# Altium PCB NURIP.PcbDoc (part 1 of 14) (continued)
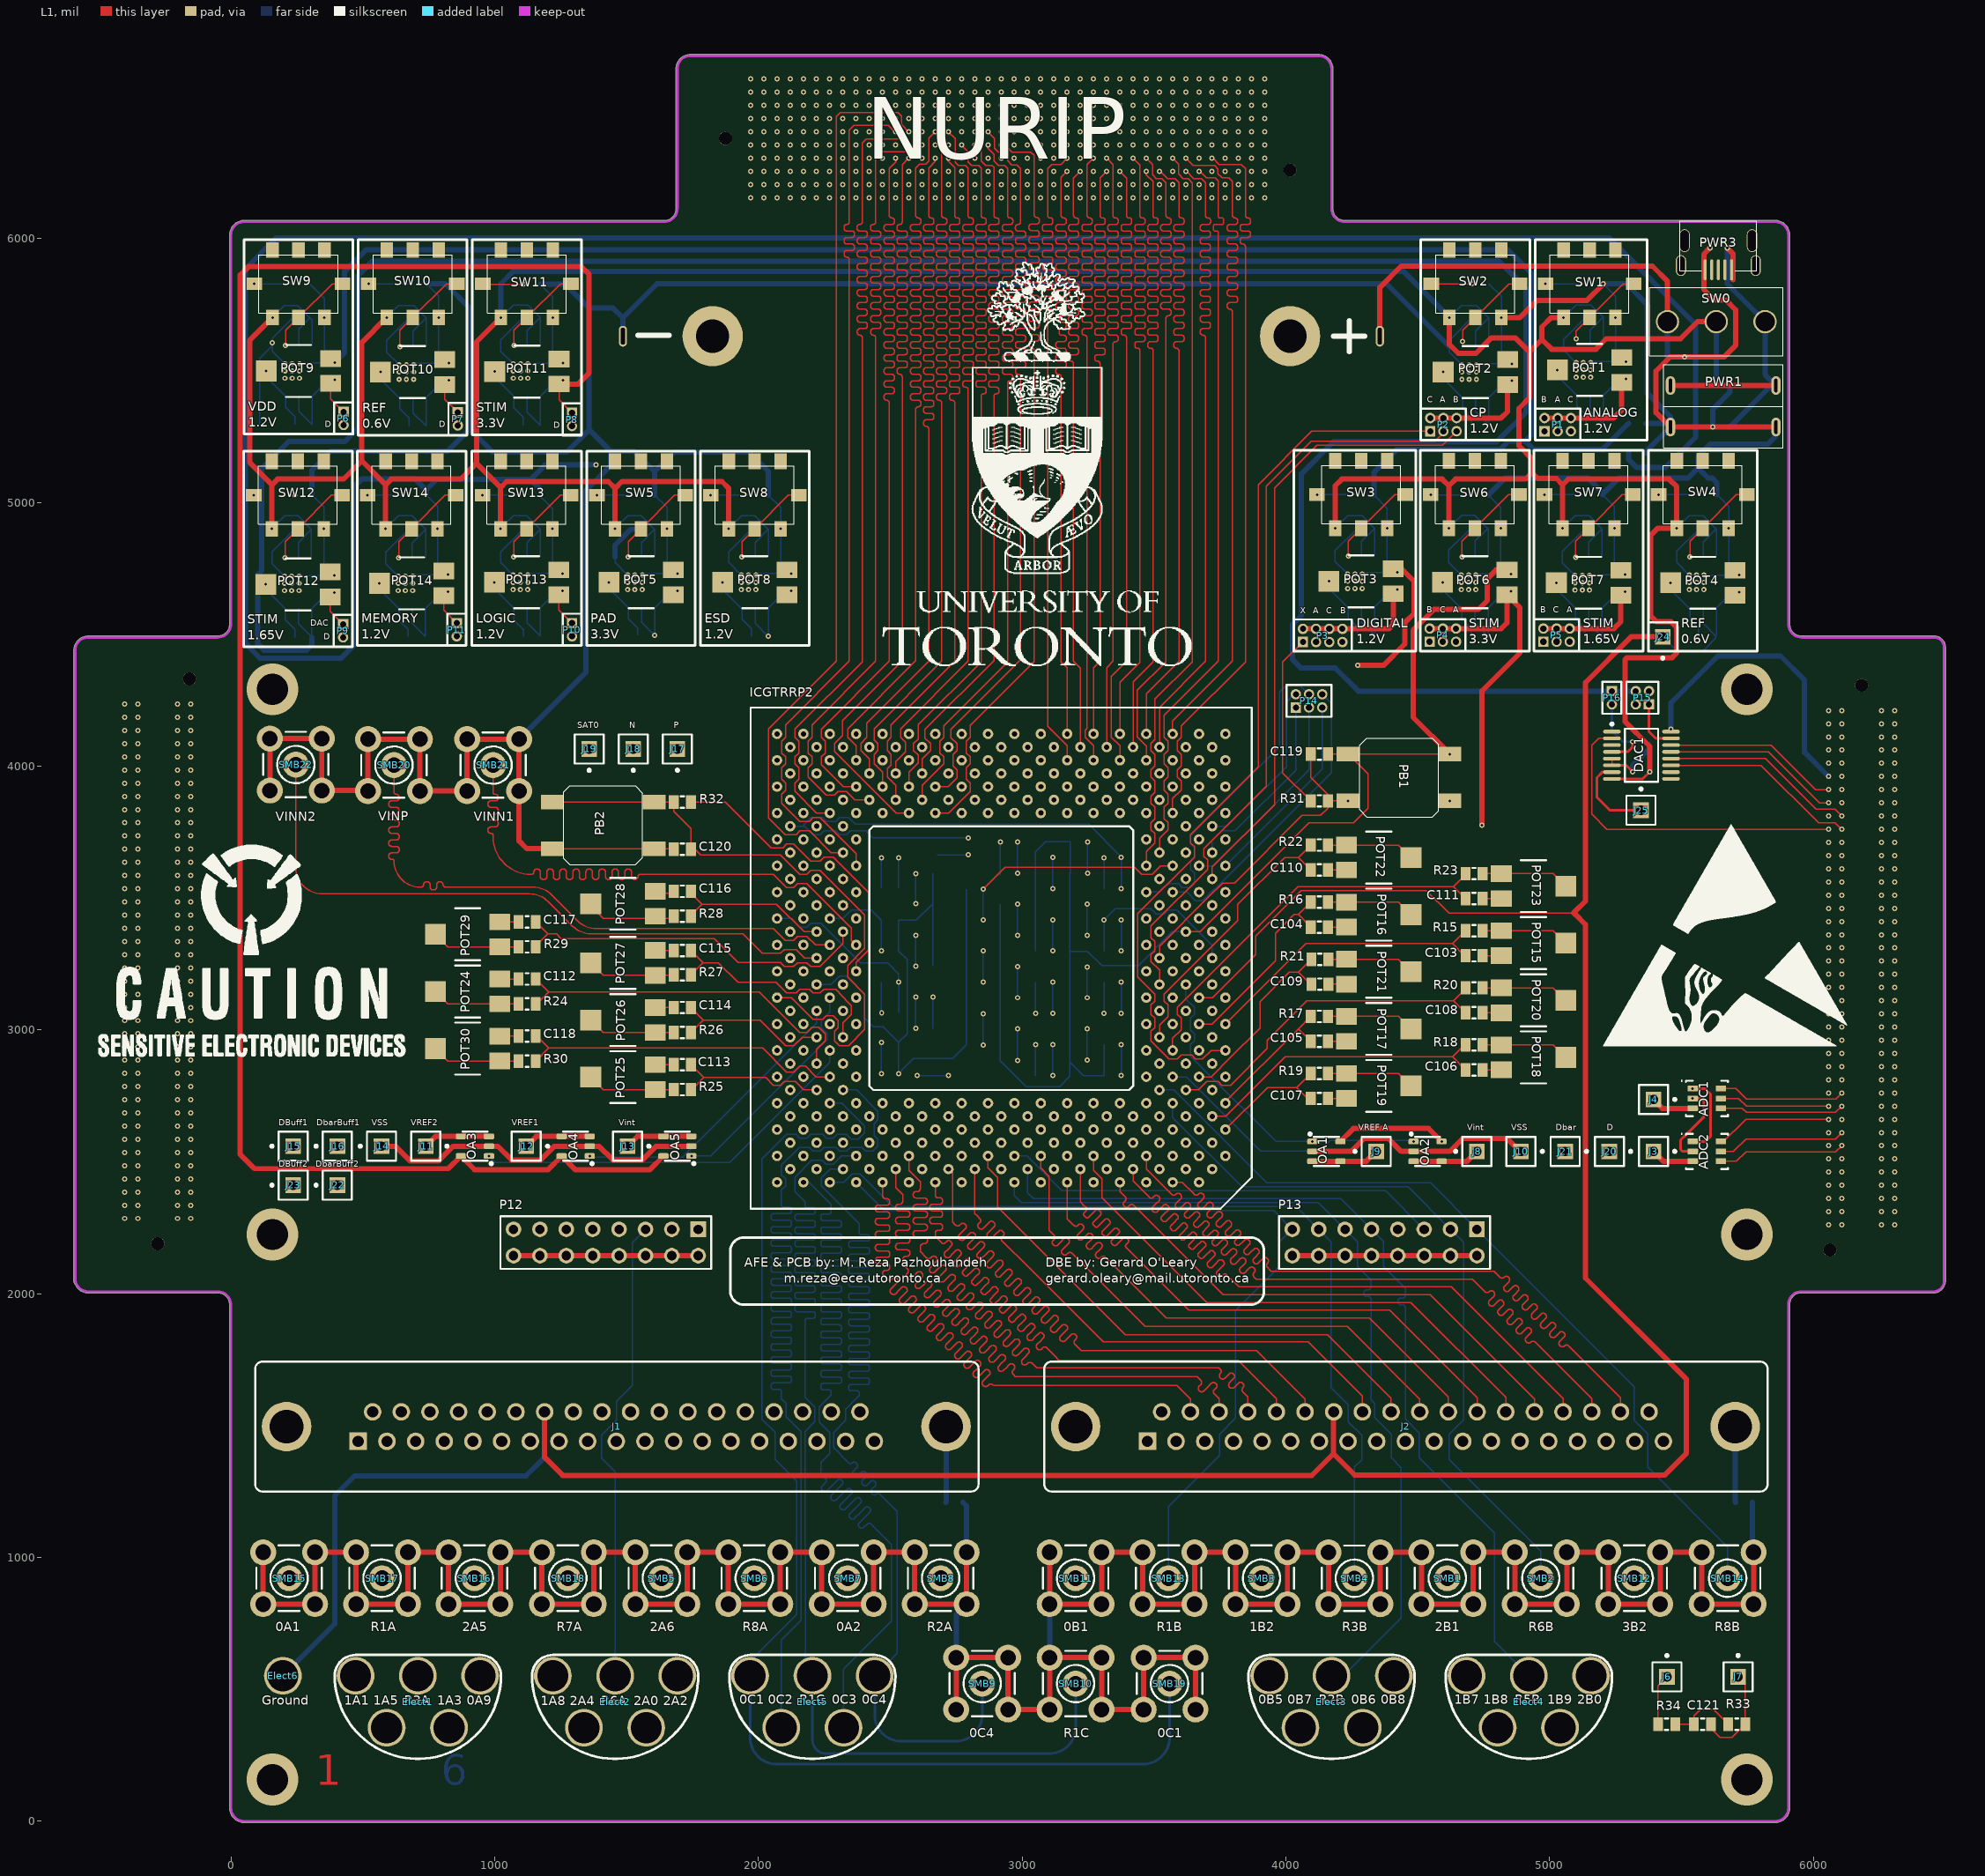
[diagram p0: L1 view]
## Components (designator, comment, footprint, x,y, rotation, side; value= is the part's Value field where it differs from the comment) (continued)
C77 "10u" CAP 1173.23,5700.79 r180 bottom
C78 "10u" CAP 1259.84,5462.6 r90 bottom
C79 "8.2n" CAP 1173.23,5291.34 r180 bottom
C80 "100n" CAP 2596.46,3478.35 r0 bottom
C81 "1u (Tant)" "CAP TANT" 2596.46,3592.52 r0 bottom
C82 "10u" CAP 305.12,4897.64 r180 bottom
C83 "10u" CAP 391.73,4657.48 r90 bottom
C84 "8.2n" CAP 307.09,4488.19 r180 bottom
C85 "100n" CAP 2596.46,3242.13 r0 bottom
C86 "1u (Tant)" "CAP TANT" 2596.46,3358.27 r0 bottom
C87 "10u" CAP 1172.24,4897.64 r180 bottom
C88 "10u" CAP 1257.87,4665.35 r90 bottom
C89 "8.2n" CAP 1174.21,4492.13 r180 bottom
C90 "100n" CAP 2466.54,3181.1 r0 bottom
C91 "1u (Tant)" "CAP TANT" 2467.52,3064.96 r0 bottom
C92 "100n" CAP 3375.98,3299.21 r180 bottom
C93 "1u (Tant)" "CAP TANT" 3375.98,3417.32 r180 bottom
C94 "10u" CAP 738.19,4897.64 r180 bottom
C95 "10u" CAP 822.83,4661.42 r90 bottom
C96 "8.2n" CAP 736.22,4492.13 r180 bottom
C97 "100n" CAP 3375.98,3535.43 r180 bottom
C98 "1u (Tant)" "CAP TANT" 3375.83,3652.83 r180 bottom
C99 "100n" CAP 2795.28,3728.35 r270 bottom
C100 "1u (Tant)" "CAP TANT" 2677.17,3728.35 r270 bottom
C101 "100n" CAP 2466.54,3651.57 r0 bottom
C102 "1u (Tant)" "CAP TANT" 2466.54,3537.4 r0 bottom
C103 "10u" CAP 4681.1,3281.5 r0 top
C104 "10u" CAP 4094.49,3389.76 r0 top
C105 "10u" CAP 4094.49,2956.69 r0 top
C106 "10u" CAP 4681.1,2848.43 r0 top
C107 "10u" CAP 4094.49,2740.16 r0 top
C108 "10u" CAP 4681.1,3064.96 r0 top
C109 "10u" CAP 4096.46,3173.23 r0 top
C110 "10u" CAP 4094.49,3606.3 r0 top
C111 "10u" CAP 4681.1,3498.03 r0 top
C112 "10u" CAP 1155.51,3192.91 r180 top
C113 "10u" CAP 1744.09,2868.11 r180 top
C114 "10u" CAP 1744.09,3084.65 r180 top
C115 "10u" CAP 1744.09,3301.18 r180 top
C116 "10u" CAP 1744.09,3525.59 r180 top
C117 "10u" CAP 1155.51,3409.45 r180 top
C118 "10u" CAP 1155.51,2976.38 r180 top
C119 "10u" CAP 4094.49,4045.28 r0 top
C120 "10u" CAP 1744.09,3685.04 r180 top
C121 "10u" CAP 5612.2,368.11 r180 top
C122 "100n" CAP 5314.96,4092.52 r0 bottom
C123 "100n" CAP 5379.92,3978.35 r180 bottom
DAC1 "AD5761" AD5761 5348.43,4041.34 r0 top
Elect1 "Electrode" ELECTRODE 708.66,551.18 r180 top
Elect2 "Electrode" ELECTRODE 1456.69,551.18 r180 top
Elect3 "Electrode" ELECTRODE 4173.23,551.18 r180 top
Elect4 "Electrode" ELECTRODE 4921.26,551.18 r180 top
Elect5 "Electrode" ELECTRODE 2204.72,551.18 r180 top
Elect6 "Electrode_1" ELECTRODE_2 196.85,551.18 r90 top
FB1 "0" RES 5364.17,5187.01 r180 bottom
FB2 "0" RES 5364.17,5299.21 r180 bottom
FMC1 "FMC_HPC" FMC_HPC 4015.75,6259.84 r180 bottom
FMC2 "FMC_LPC" FMC_LPC 6062.99,2165.35 r90 bottom
FMC3 "FMC_LPC" FMC_LPC -157.48,4330.71 r270 bottom
ICGTRRP2 "ICGTRRP2" PGA391 3830.71,2362.2 r180 bottom
J1 "D-Sub-37" D-SUB-37 2834.65,1496.06 r180 top
J2 "D-Sub-37" D-SUB-37 5826.77,1496.06 r180 top
J3 "Socket" PIN1 5393.7,2539.37 r270 top
J4 "Socket" PIN1 5393.7,2736.22 r270 top
J6 "Socket" PIN1 5444.88,547.24 r0 top
J7 "Socket" PIN1 5714.57,547.24 r0 top
J8 "Socket" PIN1 4724.41,2539.37 r90 top
J9 "Socket" PIN1 4342.52,2539.37 r90 top
J10 "Socket" PIN1 4891.73,2539.37 r270 top
J11 "Socket" PIN1 738.19,2559.06 r270 top
J12 "Socket" PIN1 1120.08,2559.06 r270 top
J13 "Socket" PIN1 1503.94,2559.06 r270 top
J14 "Socket" PIN1 570.87,2559.06 r90 top
J15 "Socket" PIN1 236.22,2559.06 r90 top
J16 "Socket" PIN1 403.54,2559.06 r90 top
J17 "Socket" PIN1 1692.91,4064.96 r180 top
J18 "Socket" PIN1 1525.59,4064.96 r180 top
J19 "Socket" PIN1 1358.27,4064.96 r180 top
J20 "Socket" PIN1 5226.38,2539.37 r270 top
J21 "Socket" PIN1 5059.06,2539.37 r270 top
J22 "Socket" PIN1 403.54,2411.42 r90 top
J23 "Socket" PIN1 236.22,2411.42 r90 top
J24 "Socket" PIN1 5429.13,4490.16 r180 top
J25 "Socket" PIN1 5346.46,3832.68 r0 top
LDO1 "LP38511" LP38511 5127.95,5501.97 r90 bottom
LDO2 "LP38511" LP38511 4694.88,5494.09 r90 bottom
LDO3 "LP38511" LP38511 4261.81,4700.79 r90 bottom
LDO4 "LP38511" LP38511 5557.28,4696.85 r90 bottom
LDO5 "LP38511" LP38511 1531.5,4696.85 r90 bottom
LDO6 "LP38511" LP38511 4692.91,4696.85 r90 bottom
LDO7 "LP38511" LP38511 5124.02,4694.88 r90 bottom
LDO8 "LP38511" LP38511 1962.6,4696.85 r90 bottom
LDO9 "LP38511" LP38511 232.28,5498.03 r90 bottom
LDO10 "LP38511" LP38511 665.35,5494.09 r90 bottom
LDO11 "LP38511" LP38511 1098.23,5498.03 r90 bottom
LDO12 "LP38511" LP38511 230.32,4692.91 r90 bottom
LDO13 "LP38511" LP38511 1097.44,4696.85 r90 bottom
LDO14 "LP38511" LP38511 661.42,4692.91 r90 bottom
OA1 "TLV2361" TLV2361 4153.54,2539.37 r0 top
OA2 "TLV2361" TLV2361 4537.4,2539.37 r0 top
OA3 "TLV2361" TLV2361 925.2,2559.06 r180 top
OA4 "TLV2361" TLV2361 1307.09,2559.06 r180 top
OA5 "TLV2361" TLV2361 1692.91,2559.06 r180 top
P1 "MHDR2X3" MHDR2X3 4980.71,5269.69 r0 top
P2 "MHDR2X3" MHDR2X3 4547.24,5269.69 r0 top
P3 "MHDR2X4" MHDR2X4 4064.57,4470.47 r0 top
P4 "MHDR2X3" MHDR2X3 4545.28,4471.65 r0 top
P5 "MHDR2X3" MHDR2X3 4976.38,4471.65 r0 top
P6 "MHDR1X2" MHDR1X2 427.17,5343.31 r270 top
P7 "MHDR1X2" MHDR1X2 860.24,5341.34 r270 top
P8 "MHDR1X2" MHDR1X2 1293.31,5339.37 r270 top
P9 "MHDR1X2" MHDR1X2 425.2,4538.19 r270 top
P10 "MHDR1X2" MHDR1X2 1293.31,4542.13 r270 top
P11 "MHDR1X2" MHDR1X2 856.3,4542.13 r270 top
P12 "" HDR2X8 1771.65,2244.09 r180 top
P13 "" HDR2X8 4724.41,2244.09 r180 top
P14 "MHDR2X3" MHDR2X3 4037.8,4222.44 r0 top
P15 "" MHDR2X2 5376.77,4234.25 r90 top
P16 "" MHDR1X2 5236.22,4284.25 r270 top
PB1 "PushButton" PUSHBUTTON 4429.13,3956.69 r0 top
PB2 "PushButton" PUSHBUTTON 1411.42,3775.59 r180 top
POT1 "POT" POT-SMD 5151.57,5501.97 r90 top
POT2 "POT" POT-SMD 4718.5,5494.09 r90 top
POT3 "POT" POT-SMD 4285.43,4700.79 r90 top
POT4 "POT" POT-SMD 5580.71,4694.88 r90 top
POT5 "POT" POT-SMD 1555.12,4696.85 r90 top
POT6 "POT" POT-SMD 4716.54,4696.85 r90 top
POT7 "POT" POT-SMD 5147.64,4694.88 r90 top
POT8 "POT" POT-SMD 1986.22,4696.85 r90 top
POT9 "POT" POT-SMD 255.91,5498.03 r90 top
POT10 "POT" POT-SMD 688.98,5494.09 r90 top
POT11 "POT" POT-SMD 1122.05,5496.06 r90 top
POT12 "POT" POT-SMD 253.94,4688.98 r90 top
POT13 "POT" POT-SMD 1121.06,4696.85 r90 top
POT14 "POT" POT-SMD 685.04,4692.91 r90 top
POT15 "POT" POT-SMD 4938.98,3328.74 r270 top
POT16 "POT" POT-SMD 4352.36,3437.01 r270 top
POT17 "POT" POT-SMD 4352.36,3003.94 r270 top
POT18 "POT" POT-SMD 4938.98,2895.67 r270 top
POT19 "POT" POT-SMD 4352.36,2787.4 r270 top
POT20 "POT" POT-SMD 4938.98,3112.2 r270 top
POT21 "POT" POT-SMD 4352.36,3220.47 r270 top
POT22 "POT" POT-SMD 4352.36,3653.54 r270 top
POT23 "POT" POT-SMD 4938.98,3545.28 r270 top
POT24 "POT" POT-SMD 897.64,3145.67 r90 top
POT25 "POT" POT-SMD 1486.22,2820.87 r90 top
POT26 "POT" POT-SMD 1486.22,3037.4 r90 top
POT27 "POT" POT-SMD 1486.22,3253.94 r90 top
POT28 "POT" POT-SMD 1486.22,3478.35 r90 top
POT29 "POT" POT-SMD 897.64,3362.2 r90 top
POT30 "POT" POT-SMD 897.64,2929.13 r90 top
PWR1 "PWR_Banana" PWR-BANANA 5658.27,5364.17 r180 top
PWR3 "USB-uB" USB-MICROB 5639.76,5913.39 r180 top
R1 "270" RES 5202.76,5828.74 r180 bottom
R2 "270" RES 4769.69,5828.74 r180 bottom
R3 "270" RES 4334.65,5027.56 r180 bottom
R4 "270" RES 5633.86,5029.53 r180 bottom
R5 "270" RES 1606.3,5027.56 r180 bottom
R6 "270" RES 4767.72,5027.56 r180 bottom
R7 "270" RES 5200.79,5029.53 r180 bottom
R8 "270" RES 2037.4,5027.56 r180 bottom
R9 "270" RES 299.21,5828.74 r180 bottom
R10 "270" RES 742.13,5828.74 r180 bottom
R11 "270" RES 1173.23,5826.77 r180 bottom
R12 "270" RES 307.09,5027.56 r180 bottom
R13 "270" RES 1168.31,5027.56 r180 bottom
R14 "270" RES 740.16,5027.56 r180 bottom
R15 "0" RES 4681.1,3375.98 r0 top
R16 "0" RES 4094.49,3484.25 r0 top
R17 "0" RES 4094.49,3051.18 r0 top
R18 "0" RES 4681.1,2942.91 r0 top
R19 "0" RES 4094.49,2834.65 r0 top
R20 "0" RES 4681.1,3159.45 r0 top
R21 "0" RES 4096.46,3267.72 r0 top
R22 "0" RES 4094.49,3700.79 r0 top
R23 "0" RES 4681.1,3592.52 r0 top
R24 "0" RES 1155.51,3098.43 r180 top
R25 "0" RES 1744.09,2773.62 r180 top
R26 "0" RES 1744.09,2990.16 r180 top
R27 "0" RES 1744.09,3208.66 r180 top
R28 "0" RES 1744.09,3431.1 r180 top
R29 "0" RES 1155.51,3314.96 r180 top
R30 "0" RES 1155.51,2881.89 r180 top
R31 "100k" RES 4159.45,3868.11 r180 top
R32 "100k" RES 1679.13,3864.17 r0 top
R33 "100k" RES 5677.17,368.11 r0 top
R34 "100k" RES 5411.42,368.11 r0 top
R35 "0" RES 5704.72,1208.66 r0 bottom
R36 "0" RES 2710.63,1208.66 r0 bottom
SMB1 "SMB" SMB_V-RJ45 4612.2,921.26 r0 top
SMB2 "SMB" SMB_V-RJ45 4966.54,921.26 r0 top
SMB3 "SMB" SMB_V-RJ45 3907.48,921.26 r0 top
SMB4 "SMB" SMB_V-RJ45 4259.76,921.02 r0 top
SMB5 "SMB" SMB_V-RJ45 1631.89,921.26 r0 top
SMB6 "SMB" SMB_V-RJ45 1984.25,921.26 r0 top
SMB7 "SMB" SMB_V-RJ45 2338.58,921.26 r0 top
SMB8 "SMB" SMB_V-RJ45 2690.94,921.26 r0 top
SMB9 "SMB" SMB_V-RJ45 2848.43,521.65 r0 top
SMB10 "SMB" SMB_V-RJ45 3202.76,521.65 r0 top
SMB11 "SMB" SMB_V-RJ45 3202.76,921.26 r0 top
SMB12 "SMB" SMB_V-RJ45 5320.87,921.26 r0 top
SMB13 "SMB" SMB_V-RJ45 3555.12,921.26 r0 top
SMB14 "SMB" SMB_V-RJ45 5675.2,921.26 r0 top
SMB15 "SMB" SMB_V-RJ45 220.47,921.26 r0 top
SMB16 "SMB" SMB_V-RJ45 923.23,921.26 r0 top
SMB17 "SMB" SMB_V-RJ45 572.83,921.26 r0 top
SMB18 "SMB" SMB_V-RJ45 1277.56,921.26 r0 top
SMB19 "SMB" SMB_V-RJ45 3559.06,521.65 r0 top
SMB20 "SMB" SMB_V-RJ45 618.11,4003.94 r0 top
SMB21 "SMB" SMB_V-RJ45 994.09,4003.94 r0 top
SMB22 "SMB" SMB_V-RJ45 246.06,4005.91 r0 top
SW0 "SW_SPDT" SW-SPDT 5631.89,5685.04 r180 top
SW1 "SW-OnOn" SW-ONON 5151.57,5828.74 r270 top
SW2 "SW-OnOn" SW-ONON 4718.5,5828.74 r270 top
SW3 "SW-OnOn" SW-ONON 4285.43,5029.53 r270 top
SW4 "SW-OnOn" SW-ONON 5580.71,5029.53 r270 top
SW5 "SW-OnOn" SW-ONON 1555.12,5027.56 r270 top
SW6 "SW-OnOn" SW-ONON 4716.54,5029.53 r270 top
SW7 "SW-OnOn" SW-ONON 5147.64,5029.53 r270 top
SW8 "SW-OnOn" SW-ONON 1986.22,5027.56 r270 top
SW9 "SW-OnOn" SW-ONON 255.91,5828.74 r270 top
SW10 "SW-OnOn" SW-ONON 688.98,5828.74 r270 top
SW11 "SW-OnOn" SW-ONON 1122.05,5828.74 r270 top
SW12 "SW-OnOn" SW-ONON 253.94,5027.56 r270 top
SW13 "SW-OnOn" SW-ONON 1121.06,5027.56 r270 top
SW14 "SW-OnOn" SW-ONON 685.04,5027.56 r270 top

## Footprints (in the part's own frame and the unit in brackets; to place one, negate y for a bottom-side part, rotate by r counter-clockwise, add the part's x,y. Pads: shape width x height; smd on the part's side, far side on the other; paste and mask are expansions set on the pad)
AD5761 [mm] "DAC"
  oval 1.7x0.35 smd mask+0.05: 1(-2.85,2.275) 2(-2.85,1.625) 3(-2.85,0.975) 4(-2.85,0.325) 5(-2.85,-0.325) 6(-2.85,-0.975) 7(-2.85,-1.625) 8(-2.85,-2.275) 9(2.85,-2.275) 10(2.85,-1.625) 11(2.85,-0.975) 12(2.85,-0.325) 13(2.85,0.325) 14(2.85,0.975) 15(2.85,1.625) 16(2.85,2.275)
  silkscreen extent -2.97,-2.55 1.6,3.12, body extent -2.25,-2.55 2.25,2.55, height 1.1
ADS7866 [mm] "ADC"
  rect 1x0.55 smd mask+0.05: 1(-1.35,0.95) 2(-1.35,0) 3(-1.35,-0.95) 4(1.35,-0.95) 5(1.35,0) 6(1.35,0.95)
  silkscreen extent -2.47,-1.7 2.02,1.75, body extent -0.9,-1.55 0.9,1.55, height 1
BAT [mm]
  oval 0.8x2 hole 0.4 slot 1.6 at 90 deg mask+0.05: 1(-36.45,0) 2(36.45,0)
  round 5.8 hole 3.2 unplated mask+0.05: ""(-27.805,0) ""(27.805,0)
  silkscreen extent -38.5,-10.5 38.5,10.5, body extent -38.5,-10.6 38.5,10.4, height 1.55
CAP [mm]
  rect 0.95x1.3 smd: 1(0,0) 2(1.65,0)
  silkscreen extent 0.67,-0.55 0.97,0.55, body extent -0.19,-0.64 1.84,0.63, height 0.65
"CAP TANT" [mm]
  rect 0.95x1.3 smd: 1(0,0) 2(1.65,0)
  silkscreen extent -0.7,-0.7 0.97,0.75, body extent -0.19,-0.64 1.84,0.63, height 0.65
D-SUB-37 [mm]
  rect 1.69x1.69 hole 1.09: 1(59.736,1.42)
  round 1.69 hole 1.09: 2(56.975,1.42) 3(54.214,1.42) 4(51.453,1.42) 5(48.692,1.42) 6(45.931,1.42) 7(43.17,1.42) 8(40.409,1.42) 9(37.648,1.42) 10(34.887,1.42) 11(32.126,1.42) 12(29.365,1.42) 13(26.604,1.42) 14(23.843,1.42) 15(21.082,1.42) 16(18.321,1.42) 17(15.56,1.42) 18(12.799,1.42) 19(10.038,1.42) 20(58.356,-1.42) 21(55.595,-1.42) 22(52.834,-1.42) 23(50.073,-1.42) 24(47.312,-1.42) 25(44.551,-1.42) 26(41.79,-1.42) 27(39.029,-1.42) 28(36.268,-1.42) 29(33.507,-1.42) 30(30.746,-1.42) 31(27.985,-1.42) 32(25.224,-1.42) 33(22.463,-1.42) 34(19.701,-1.42) 35(16.94,-1.42) 36(14.179,-1.42) 37(11.418,-1.42)
  round 4.76 hole 3.26: GND(3.128,0) ""(66.646,0)
  silkscreen extent 0,-6.25 69.67,6.25
ELECTRODE [mil]
  round 143 hole 118 mask+0: 1(-236.22,0) 2(-118.11,196.85) 3(236.22,0) 4(118.11,196.85) 5(0,0)
  silkscreen extent -315,-79 315,315
ELECTRODE_2 [mil]
  round 143 hole 118 mask+0: 1(0,0)
FMC_HPC [mil]
  round 30 smd paste-1000 mask+0.5: A1(2045.51,345.08) A2(1995.51,345.08) A3(1945.51,345.08) A4(1895.51,345.08) A5(1845.51,345.08) A6(1795.51,345.08) A7(1745.51,345.08) A8(1695.51,345.08) A9(1645.51,345.08) A10(1595.51,345.08) A11(1545.51,345.08) A12(1495.51,345.08) A13(1445.51,345.08) A14(1395.51,345.08) A15(1345.51,345.08) A16(1295.51,345.08) A17(1245.51,345.08) A18(1195.51,345.08) A19(1145.51,345.08) A20(1095.51,345.08) A21(1045.51,345.08) A22(995.51,345.08) A23(945.51,345.08) A24(895.51,345.08) A25(845.51,345.08) A26(795.51,345.08) A27(745.51,345.08) A28(695.51,345.08) A29(645.51,345.08) A30(595.51,345.08) A31(545.51,345.08) A32(495.51,345.08) A33(445.51,345.08) A34(395.51,345.08) A35(345.51,345.08) A36(295.51,345.08) A37(245.51,345.08) A38(195.51,345.08) A39(145.51,345.08) A40(95.51,345.08) B1(2045.51,295.08) B2(1995.51,295.08) B3(1945.51,295.08) B4(1895.51,295.08) B5(1845.51,295.08) B6(1795.51,295.08) B7(1745.51,295.08) B8(1695.51,295.08) B9(1645.51,295.08) B10(1595.51,295.08) B11(1545.51,295.08) B12(1495.51,295.08) B13(1445.51,295.08) B14(1395.51,295.08) B15(1345.51,295.08) B16(1295.51,295.08) B17(1245.51,295.08) B18(1195.51,295.08) B19(1145.51,295.08) B20(1095.51,295.08) B21(1045.51,295.08) B22(995.51,295.08) B23(945.51,295.08) B24(895.51,295.08) B25(845.51,295.08) B26(795.51,295.08) B27(745.51,295.08) B28(695.51,295.08) B29(645.51,295.08) B30(595.51,295.08) B31(545.51,295.08) B32(495.51,295.08) B33(445.51,295.08) B34(395.51,295.08) B35(345.51,295.08) B36(295.51,295.08) B37(245.51,295.08) B38(195.51,295.08) B39(145.51,295.08) B40(95.51,295.08) C1(2045.51,245.08) C2(1995.51,245.08) C3(1945.51,245.08) C4(1895.51,245.08) C5(1845.51,245.08) C6(1795.51,245.08) C7(1745.51,245.08) C8(1695.51,245.08) C9(1645.51,245.08) C10(1595.51,245.08) C11(1545.51,245.08) C12(1495.51,245.08) C13(1445.51,245.08) C14(1395.51,245.08) C15(1345.51,245.08) C16(1295.51,245.08) C17(1245.51,245.08) C18(1195.51,245.08) C19(1145.51,245.08) C20(1095.51,245.08) C21(1045.51,245.08) C22(995.51,245.08) C23(945.51,245.08) C24(895.51,245.08) C25(845.51,245.08) C26(795.51,245.08) C27(745.51,245.08) C28(695.51,245.08) C29(645.51,245.08) C30(595.51,245.08) C31(545.51,245.08) C32(495.51,245.08) C33(445.51,245.08) C34(395.51,245.08) C35(345.51,245.08) C36(295.51,245.08) C37(245.51,245.08) C38(195.51,245.08) C39(145.51,245.08) C40(95.51,245.08) D1(2045.51,195.08) D2(1995.51,195.08) D3(1945.51,195.08) D4(1895.51,195.08) D5(1845.51,195.08) D6(1795.51,195.08) D7(1745.51,195.08) D8(1695.51,195.08) D9(1645.51,195.08) D10(1595.51,195.08) D11(1545.51,195.08) D12(1495.51,195.08) D13(1445.51,195.08) D14(1395.51,195.08) D15(1345.51,195.08) D16(1295.51,195.08) D17(1245.51,195.08) D18(1195.51,195.08) D19(1145.51,195.08) D20(1095.51,195.08) D21(1045.51,195.08) D22(995.51,195.08) D23(945.51,195.08) D24(895.51,195.08) D25(845.51,195.08) D26(795.51,195.08) D27(745.51,195.08) D28(695.51,195.08) D29(645.51,195.08) D30(595.51,195.08) D31(545.51,195.08) D32(495.51,195.08) D33(445.51,195.08) D34(395.51,195.08) D35(345.51,195.08) D36(295.51,195.08) D37(245.51,195.08) D38(195.51,195.08) D39(145.51,195.08) D40(95.51,195.08) E1(2045.51,145.08) E2(1995.51,145.08) E3(1945.51,145.08) E4(1895.51,145.08) E5(1845.51,145.08) E6(1795.51,145.08) E7(1745.51,145.08) E8(1695.51,145.08) E9(1645.51,145.08) E10(1595.51,145.08) E11(1545.51,145.08) E12(1495.51,145.08) E13(1445.51,145.08) E14(1395.51,145.08) E15(1345.51,145.08) E16(1295.51,145.08) E17(1245.51,145.08) E18(1195.51,145.08) E19(1145.51,145.08) E20(1095.51,145.08) E21(1045.51,145.08) E22(995.51,145.08) E23(945.51,145.08) E24(895.51,145.08) E25(845.51,145.08) E26(795.51,145.08) E27(745.51,145.08) E28(695.51,145.08) E29(645.51,145.08) E30(595.51,145.08) E31(545.51,145.08) E32(495.51,145.08) E33(445.51,145.08) E34(395.51,145.08) E35(345.51,145.08) E36(295.51,145.08) E37(245.51,145.08) E38(195.51,145.08) E39(145.51,145.08) E40(95.51,145.08) F1(2045.51,95.08) F2(1995.51,95.08) F3(1945.51,95.08) F4(1895.51,95.08) F5(1845.51,95.08) F6(1795.51,95.08) F7(1745.51,95.08) F8(1695.51,95.08) F9(1645.51,95.08) F10(1595.51,95.08) F11(1545.51,95.08) F12(1495.51,95.08) F13(1445.51,95.08) F14(1395.51,95.08) F15(1345.51,95.08) F16(1295.51,95.08) F17(1245.51,95.08) F18(1195.51,95.08) F19(1145.51,95.08) F20(1095.51,95.08) F21(1045.51,95.08) F22(995.51,95.08) F23(945.51,95.08) F24(895.51,95.08) F25(845.51,95.08) F26(795.51,95.08) F27(745.51,95.08) F28(695.51,95.08) F29(645.51,95.08) F30(595.51,95.08) F31(545.51,95.08) F32(495.51,95.08) F33(445.51,95.08) F34(395.51,95.08) F35(345.51,95.08) F36(295.51,95.08) F37(245.51,95.08) F38(195.51,95.08) F39(145.51,95.08) F40(95.51,95.08) G1(2045.51,45.08) G2(1995.51,45.08) G3(1945.51,45.08) G4(1895.51,45.08) G5(1845.51,45.08) G6(1795.51,45.08) G7(1745.51,45.08) G8(1695.51,45.08) G9(1645.51,45.08) G10(1595.51,45.08) G11(1545.51,45.08) G12(1495.51,45.08) G13(1445.51,45.08) G14(1395.51,45.08) G15(1345.51,45.08) G16(1295.51,45.08) G17(1245.51,45.08) G18(1195.51,45.08) G19(1145.51,45.08) G20(1095.51,45.08) G21(1045.51,45.08) G22(995.51,45.08) G23(945.51,45.08) G24(895.51,45.08) G25(845.51,45.08) G26(795.51,45.08) G27(745.51,45.08) G28(695.51,45.08) G29(645.51,45.08) G30(595.51,45.08) G31(545.51,45.08) G32(495.51,45.08) G33(445.51,45.08) G34(395.51,45.08) G35(345.51,45.08) G36(295.51,45.08) G37(245.51,45.08) G38(195.51,45.08) G39(145.51,45.08) G40(95.51,45.08) H1(2045.51,-4.92) H2(1995.51,-4.92) H3(1945.51,-4.92) H4(1895.51,-4.92) H5(1845.51,-4.92) H6(1795.51,-4.92) H7(1745.51,-4.92) H8(1695.51,-4.92) H9(1645.51,-4.92) H10(1595.51,-4.92) H11(1545.51,-4.92) H12(1495.51,-4.92) H13(1445.51,-4.92) H14(1395.51,-4.92) H15(1345.51,-4.92) H16(1295.51,-4.92) H17(1245.51,-4.92) H18(1195.51,-4.92) H19(1145.51,-4.92) H20(1095.51,-4.92) H21(1045.51,-4.92) H22(995.51,-4.92) H23(945.51,-4.92) H24(895.51,-4.92) H25(845.51,-4.92) H26(795.51,-4.92) H27(745.51,-4.92) H28(695.51,-4.92) H29(645.51,-4.92) H30(595.51,-4.92) H31(545.51,-4.92) H32(495.51,-4.92) H33(445.51,-4.92) H34(395.51,-4.92) H35(345.51,-4.92) H36(295.51,-4.92) H37(245.51,-4.92) H38(195.51,-4.92) H39(145.51,-4.92) H40(95.51,-4.92) J1(2045.51,-54.92) J2(1995.51,-54.92) J3(1945.51,-54.92) J4(1895.51,-54.92) J5(1845.51,-54.92) J6(1795.51,-54.92) J7(1745.51,-54.92) J8(1695.51,-54.92) J9(1645.51,-54.92) J10(1595.51,-54.92) J11(1545.51,-54.92) J12(1495.51,-54.92) J13(1445.51,-54.92) J14(1395.51,-54.92) J15(1345.51,-54.92) J16(1295.51,-54.92) J17(1245.51,-54.92) J18(1195.51,-54.92) J19(1145.51,-54.92) J20(1095.51,-54.92) J21(1045.51,-54.92) J22(995.51,-54.92) J23(945.51,-54.92) J24(895.51,-54.92) J25(845.51,-54.92) J26(795.51,-54.92) J27(745.51,-54.92) J28(695.51,-54.92) J29(645.51,-54.92) J30(595.51,-54.92) J31(545.51,-54.92) J32(495.51,-54.92) J33(445.51,-54.92) J34(395.51,-54.92) J35(345.51,-54.92) J36(295.51,-54.92) J37(245.51,-54.92) J38(195.51,-54.92) J39(145.51,-54.92) J40(95.51,-54.92) K1(2045.51,-104.92) K2(1995.51,-104.92) K3(1945.51,-104.92) K4(1895.51,-104.92) K5(1845.51,-104.92) K6(1795.51,-104.92) K7(1745.51,-104.92) K8(1695.51,-104.92) K9(1645.51,-104.92) K10(1595.51,-104.92) K11(1545.51,-104.92) K12(1495.51,-104.92) K13(1445.51,-104.92) K14(1395.51,-104.92) K15(1345.51,-104.92) K16(1295.51,-104.92) K17(1245.51,-104.92) K18(1195.51,-104.92) K19(1145.51,-104.92) K20(1095.51,-104.92) K21(1045.51,-104.92) K22(995.51,-104.92) K23(945.51,-104.92) K24(895.51,-104.92) K25(845.51,-104.92) K26(795.51,-104.92) K27(745.51,-104.92) K28(695.51,-104.92) K29(645.51,-104.92) K30(595.51,-104.92) K31(545.51,-104.92) K32(495.51,-104.92) K33(445.51,-104.92) K34(395.51,-104.92) K35(345.51,-104.92) K36(295.51,-104.92) K37(245.51,-104.92) K38(195.51,-104.92) K39(145.51,-104.92) K40(95.51,-104.92)
  round 50 hole 50 unplated: ""(0,0) ""(2141.02,120.08)
  silkscreen extent -28,-169 2204,409, body extent -30,-165 2205,410, height 61
FMC_LPC [mil]
  round 30 smd paste-1000 mask+0.5: C1(2045.51,245.08) C2(1995.51,245.08) C3(1945.51,245.08) C4(1895.51,245.08) C5(1845.51,245.08) C6(1795.51,245.08) C7(1745.51,245.08) C8(1695.51,245.08) C9(1645.51,245.08) C10(1595.51,245.08) C11(1545.51,245.08) C12(1495.51,245.08) C13(1445.51,245.08) C14(1395.51,245.08) C15(1345.51,245.08) C16(1295.51,245.08) C17(1245.51,245.08) C18(1195.51,245.08) C19(1145.51,245.08) C20(1095.51,245.08) C21(1045.51,245.08) C22(995.51,245.08) C23(945.51,245.08) C24(895.51,245.08) C25(845.51,245.08) C26(795.51,245.08) C27(745.51,245.08) C28(695.51,245.08) C29(645.51,245.08) C30(595.51,245.08) C31(545.51,245.08) C32(495.51,245.08) C33(445.51,245.08) C34(395.51,245.08) C35(345.51,245.08) C36(295.51,245.08) C37(245.51,245.08) C38(195.51,245.08) C39(145.51,245.08) C40(95.51,245.08) D1(2045.51,195.08) D2(1995.51,195.08) D3(1945.51,195.08) D4(1895.51,195.08) D5(1845.51,195.08) D6(1795.51,195.08) D7(1745.51,195.08) D8(1695.51,195.08) D9(1645.51,195.08) D10(1595.51,195.08) D11(1545.51,195.08) D12(1495.51,195.08) D13(1445.51,195.08) D14(1395.51,195.08) D15(1345.51,195.08) D16(1295.51,195.08) D17(1245.51,195.08) D18(1195.51,195.08) D19(1145.51,195.08) D20(1095.51,195.08) D21(1045.51,195.08) D22(995.51,195.08) D23(945.51,195.08) D24(895.51,195.08) D25(845.51,195.08) D26(795.51,195.08) D27(745.51,195.08) D28(695.51,195.08) D29(645.51,195.08) D30(595.51,195.08) D31(545.51,195.08) D32(495.51,195.08) D33(445.51,195.08) D34(395.51,195.08) D35(345.51,195.08) D36(295.51,195.08) D37(245.51,195.08) D38(195.51,195.08) D39(145.51,195.08) D40(95.51,195.08) G1(2045.51,45.08) G2(1995.51,45.08) G3(1945.51,45.08) G4(1895.51,45.08) G5(1845.51,45.08) G6(1795.51,45.08) G7(1745.51,45.08) G8(1695.51,45.08) G9(1645.51,45.08) G10(1595.51,45.08) G11(1545.51,45.08) G12(1495.51,45.08) G13(1445.51,45.08) G14(1395.51,45.08) G15(1345.51,45.08) G16(1295.51,45.08) G17(1245.51,45.08) G18(1195.51,45.08) G19(1145.51,45.08) G20(1095.51,45.08) G21(1045.51,45.08) G22(995.51,45.08) G23(945.51,45.08) G24(895.51,45.08) G25(845.51,45.08) G26(795.51,45.08) G27(745.51,45.08) G28(695.51,45.08) G29(645.51,45.08) G30(595.51,45.08) G31(545.51,45.08) G32(495.51,45.08) G33(445.51,45.08) G34(395.51,45.08) G35(345.51,45.08) G36(295.51,45.08) G37(245.51,45.08) G38(195.51,45.08) G39(145.51,45.08) G40(95.51,45.08) H1(2045.51,-4.92) H2(1995.51,-4.92) H3(1945.51,-4.92) H4(1895.51,-4.92) H5(1845.51,-4.92) H6(1795.51,-4.92) H7(1745.51,-4.92) H8(1695.51,-4.92) H9(1645.51,-4.92) H10(1595.51,-4.92) H11(1545.51,-4.92) H12(1495.51,-4.92) H13(1445.51,-4.92) H14(1395.51,-4.92) H15(1345.51,-4.92) H16(1295.51,-4.92) H17(1245.51,-4.92) H18(1195.51,-4.92) H19(1145.51,-4.92) H20(1095.51,-4.92) H21(1045.51,-4.92) H22(995.51,-4.92) H23(945.51,-4.92) H24(895.51,-4.92) H25(845.51,-4.92) H26(795.51,-4.92) H27(745.51,-4.92) H28(695.51,-4.92) H29(645.51,-4.92) H30(595.51,-4.92) H31(545.51,-4.92) H32(495.51,-4.92) H33(445.51,-4.92) H34(395.51,-4.92) H35(345.51,-4.92) H36(295.51,-4.92) H37(245.51,-4.92) H38(195.51,-4.92) H39(145.51,-4.92) H40(95.51,-4.92)
  round 50 hole 50 unplated: ""(0,0) ""(2141.02,120.08)
  silkscreen extent -28,-169 2204,409, body extent -30,-165 2205,410, height 61
HDR2X8 [mm] "Connector; Header; 8x2 Position"
  rect 1.5x1.5 hole 0.9: 1(0,0)
  round 1.5 hole 0.9: 2(0,2.54) 3(2.54,0) 4(2.54,2.54) 5(5.08,0) 6(5.08,2.54) 7(7.62,0) 8(7.62,2.54) 9(10.16,0) 10(10.16,2.54) 11(12.7,0) 12(12.7,2.54) 13(15.24,0) 14(15.24,2.54) 15(17.78,0) 16(17.78,2.54)
  silkscreen extent -1.27,-1.27 19.05,3.81
LP38511 [mm] "800mA Adj LDO"
  rrect50% 1.5x0.6 smd mask+0.05: 1(-2.7,1.905) 2(-2.7,0.635) 3(-2.7,-0.635) 4(-2.7,-1.905) 5(2.7,-1.905) 6(2.7,-0.635) 7(2.7,0.635) 8(2.7,1.905)
  rrect50% 2.4x2.8 smd mask+0.05: 5(0,0)
  silkscreen extent -2.57,-2.5 1.2,2.88, body extent -2,-2.5 2,2.5, height 1.55
MHDR1X2 [mm] "Connector; Header; 2 Position"
  rect 1x1 hole 0.6: 1(0,0)
  round 1 hole 0.6: 2(1.27,0)
  silkscreen extent -0.9,-0.9 2.17,0.9
MHDR2X2 [mm] "Connector; Header; 2x2 Position"
  rect 1x1 hole 0.6: 1(0,0)
  round 1 hole 0.6: 2(0,1.27) 3(1.27,0) 4(1.27,1.27)
  silkscreen extent -0.9,-0.9 2.17,2.17
MHDR2X3 [mm] "Connector; Header; 3x2 Position"
  rect 1x1 hole 0.6: 1(0,0)
  round 1 hole 0.6: 2(0,1.27) 3(1.27,0) 4(1.27,1.27) 5(2.54,0) 6(2.54,1.27)
  silkscreen extent -0.9,-0.9 3.44,2.17
MHDR2X4 [mm] "Connector; Header; 4x2 Position"
  rect 1x1 hole 0.6: 1(0,0)
  round 1 hole 0.6: 2(0,1.27) 3(1.27,0) 4(1.27,1.27) 5(2.54,0) 6(2.54,1.27) 7(3.81,0) 8(3.81,1.27)
  silkscreen extent -0.9,-0.9 4.71,2.17
PGA391 [mm] "ICGTRRP2"
  round 1 hole 0.5 mask+0: A3(4.064,1.524) A5(6.604,1.524) A7(9.144,1.524) A9(11.684,1.524) A11(14.224,1.524) A13(16.764,1.524) A15(19.304,1.524) A17(21.844,1.524) A19(24.384,1.524) A21(26.924,1.524) A23(29.464,1.524) A25(32.004,1.524) A27(34.544,1.524) A29(37.084,1.524) A31(39.624,1.524) A33(42.164,1.524) A35(44.704,1.524) AA1(1.524,26.924) AA3(4.064,26.924) AA5(6.604,26.924) AA7(9.144,26.924) AA29(37.084,26.924) AA31(39.624,26.924) AA33(42.164,26.924) AA35(44.704,26.924) AB2(2.794,28.194) AB4(5.334,28.194) AB6(7.874,28.194) AB30(38.354,28.194) AB32(40.894,28.194) AB34(43.434,28.194) AC1(1.524,29.464) AC3(4.064,29.464) AC5(6.604,29.464) AC7(9.144,29.464) AC29(37.084,29.464) AC31(39.624,29.464) AC33(42.164,29.464) AC35(44.704,29.464) AD2(2.794,30.734) AD4(5.334,30.734) AD6(7.874,30.734) AD30(38.354,30.734) AD32(40.894,30.734) AD34(43.434,30.734) AE1(1.524,32.004) AE3(4.064,32.004) AE5(6.604,32.004) AE7(9.144,32.004) AE29(37.084,32.004) AE31(39.624,32.004) AE33(42.164,32.004) AE35(44.704,32.004) AF2(2.794,33.274) AF4(5.334,33.274) AF6(7.874,33.274) AF30(38.354,33.274) AF32(40.894,33.274) AF34(43.434,33.274) AG1(1.524,34.544) AG3(4.064,34.544) AG5(6.604,34.544) AG7(9.144,34.544) AG29(37.084,34.544) AG31(39.624,34.544) AG33(42.164,34.544) AG35(44.704,34.544) AH2(2.794,35.814) AH4(5.334,35.814) AH6(7.874,35.814) AH30(38.354,35.814) AH32(40.894,35.814) AH34(43.434,35.814) AJ1(1.524,37.084) AJ3(4.064,37.084) AJ5(6.604,37.084) AJ7(9.144,37.084) AJ9(11.684,37.084) AJ11(14.224,37.084) AJ13(16.764,37.084) AJ15(19.304,37.084) AJ17(21.844,37.084) AJ19(24.384,37.084) AJ21(26.924,37.084) AJ23(29.464,37.084) AJ25(32.004,37.084) AJ27(34.544,37.084) AJ29(37.084,37.084) AJ31(39.624,37.084) AJ33(42.164,37.084) AJ35(44.704,37.084) AK2(2.794,38.354) AK4(5.334,38.354) AK6(7.874,38.354) AK8(10.414,38.354) AK10(12.954,38.354) AK12(15.494,38.354) AK14(18.034,38.354) AK16(20.574,38.354) AK18(23.114,38.354) AK20(25.654,38.354) AK22(28.194,38.354) AK24(30.734,38.354) AK26(33.274,38.354) AK28(35.814,38.354) AK30(38.354,38.354) AK32(40.894,38.354) AK34(43.434,38.354) AL1(1.524,39.624) AL3(4.064,39.624) AL5(6.604,39.624) AL7(9.144,39.624) AL9(11.684,39.624) AL11(14.224,39.624) AL13(16.764,39.624) AL15(19.304,39.624) AL17(21.844,39.624) AL19(24.384,39.624) AL21(26.924,39.624) AL23(29.464,39.624) AL25(32.004,39.624) AL27(34.544,39.624) AL29(37.084,39.624) AL31(39.624,39.624) AL33(42.164,39.624) AL35(44.704,39.624) AM2(2.794,40.894) AM4(5.334,40.894) AM6(7.874,40.894) AM8(10.414,40.894) AM10(12.954,40.894) AM12(15.494,40.894) AM14(18.034,40.894) AM16(20.574,40.894) AM18(23.114,40.894) AM20(25.654,40.894) AM22(28.194,40.894) AM24(30.734,40.894) AM26(33.274,40.894) AM28(35.814,40.894) AM30(38.354,40.894) AM32(40.894,40.894) AM34(43.434,40.894) AN1(1.524,42.164) AN3(4.064,42.164) AN5(6.604,42.164) AN7(9.144,42.164) AN9(11.684,42.164) AN11(14.224,42.164) AN13(16.764,42.164) AN15(19.304,42.164) AN17(21.844,42.164) AN19(24.384,42.164) AN21(26.924,42.164) AN23(29.464,42.164) AN25(32.004,42.164) AN27(34.544,42.164) AN29(37.084,42.164) AN31(39.624,42.164) AN33(42.164,42.164) AN35(44.704,42.164) AP2(2.794,43.434) AP4(5.334,43.434) AP6(7.874,43.434) AP8(10.414,43.434) AP10(12.954,43.434) AP12(15.494,43.434) AP14(18.034,43.434) AP16(20.574,43.434) AP18(23.114,43.434) AP20(25.654,43.434) AP22(28.194,43.434) AP24(30.734,43.434) AP26(33.274,43.434) AP28(35.814,43.434) AP30(38.354,43.434) AP32(40.894,43.434) AP34(43.434,43.434) AR1(1.524,44.704) AR3(4.064,44.704) AR5(6.604,44.704) AR7(9.144,44.704) AR9(11.684,44.704) AR11(14.224,44.704) AR13(16.764,44.704) AR15(19.304,44.704) AR17(21.844,44.704) AR19(24.384,44.704) AR21(26.924,44.704) AR23(29.464,44.704) AR25(32.004,44.704) AR27(34.544,44.704) AR29(37.084,44.704) AR31(39.624,44.704) AR33(42.164,44.704) AR35(44.704,44.704) B2(2.794,2.794) B4(5.334,2.794) B6(7.874,2.794) B8(10.414,2.794) B10(12.954,2.794) B12(15.494,2.794) B14(18.034,2.794) B16(20.574,2.794) B18(23.114,2.794) B20(25.654,2.794) B22(28.194,2.794) B24(30.734,2.794) B26(33.274,2.794) B28(35.814,2.794) B30(38.354,2.794) B32(40.894,2.794) B34(43.434,2.794) C1(1.524,4.064) C3(4.064,4.064) C5(6.604,4.064) C7(9.144,4.064) C9(11.684,4.064) C11(14.224,4.064) C13(16.764,4.064) C15(19.304,4.064) C17(21.844,4.064) C19(24.384,4.064) C21(26.924,4.064) C23(29.464,4.064) C25(32.004,4.064) C27(34.544,4.064) C29(37.084,4.064) C31(39.624,4.064) C33(42.164,4.064) C35(44.704,4.064) D2(2.794,5.334) D4(5.334,5.334) D6(7.874,5.334) D8(10.414,5.334) D10(12.954,5.334) D12(15.494,5.334) D14(18.034,5.334) D16(20.574,5.334) D18(23.114,5.334) D20(25.654,5.334) D22(28.194,5.334) D24(30.734,5.334) D26(33.274,5.334) D28(35.814,5.334) D30(38.354,5.334) D32(40.894,5.334) D34(43.434,5.334) E1(1.524,6.604) E3(4.064,6.604) E5(6.604,6.604) E7(9.144,6.604) E9(11.684,6.604) E11(14.224,6.604) E13(16.764,6.604) E15(19.304,6.604) E17(21.844,6.604) E19(24.384,6.604) E21(26.924,6.604) E23(29.464,6.604) E25(32.004,6.604) E27(34.544,6.604) E29(37.084,6.604) E31(39.624,6.604) E33(42.164,6.604) E35(44.704,6.604) F2(2.794,7.874) F4(5.334,7.874) F6(7.874,7.874) F8(10.414,7.874) F10(12.954,7.874) F12(15.494,7.874) F14(18.034,7.874) F16(20.574,7.874) F18(23.114,7.874) F20(25.654,7.874) F22(28.194,7.874) F24(30.734,7.874) F26(33.274,7.874) F28(35.814,7.874) F30(38.354,7.874) F32(40.894,7.874) F34(43.434,7.874) G1(1.524,9.144) G3(4.064,9.144) G5(6.604,9.144) G7(9.144,9.144) G9(11.684,9.144) G11(14.224,9.144) G13(16.764,9.144) G15(19.304,9.144) G17(21.844,9.144) G19(24.384,9.144) G21(26.924,9.144) G23(29.464,9.144) G25(32.004,9.144) G27(34.544,9.144) G29(37.084,9.144) G31(39.624,9.144) G33(42.164,9.144) G35(44.704,9.144) H2(2.794,10.414) H4(5.334,10.414) H6(7.874,10.414) H30(38.354,10.414) H32(40.894,10.414) H34(43.434,10.414) J1(1.524,11.684) J3(4.064,11.684) J5(6.604,11.684) J7(9.144,11.684) J29(37.084,11.684) J31(39.624,11.684) J33(42.164,11.684) J35(44.704,11.684) K2(2.794,12.954) K4(5.334,12.954) K6(7.874,12.954) K30(38.354,12.954) K32(40.894,12.954) K34(43.434,12.954) L1(1.524,14.224) L3(4.064,14.224) L5(6.604,14.224) L7(9.144,14.224) L29(37.084,14.224) L31(39.624,14.224) L33(42.164,14.224) L35(44.704,14.224) M2(2.794,15.494) M4(5.334,15.494) M6(7.874,15.494) M30(38.354,15.494) M32(40.894,15.494) M34(43.434,15.494) N1(1.524,16.764) N3(4.064,16.764) N5(6.604,16.764) N7(9.144,16.764) N29(37.084,16.764) N31(39.624,16.764) N33(42.164,16.764) N35(44.704,16.764) P2(2.794,18.034) P4(5.334,18.034) P6(7.874,18.034) P30(38.354,18.034) P32(40.894,18.034) P34(43.434,18.034) R1(1.524,19.304) R3(4.064,19.304) R5(6.604,19.304) R7(9.144,19.304) R29(37.084,19.304) R31(39.624,19.304) R33(42.164,19.304) R35(44.704,19.304) T2(2.794,20.574) T4(5.334,20.574) T6(7.874,20.574) T30(38.354,20.574) T32(40.894,20.574) T34(43.434,20.574) U1(1.524,21.844) U3(4.064,21.844) U5(6.604,21.844) U7(9.144,21.844) U29(37.084,21.844) U31(39.624,21.844) U33(42.164,21.844) U35(44.704,21.844) V2(2.794,23.114) V4(5.334,23.114) V6(7.874,23.114) V30(38.354,23.114) V32(40.894,23.114) V34(43.434,23.114) W1(1.524,24.384) W3(4.064,24.384) W5(6.604,24.384) W7(9.144,24.384) W29(37.084,24.384) W31(39.624,24.384) W33(42.164,24.384) W35(44.704,24.384) Y2(2.794,25.654) Y4(5.334,25.654) Y6(7.874,25.654) Y30(38.354,25.654) Y32(40.894,25.654) Y34(43.434,25.654)
  silkscreen extent -1.02,-1.02 47.24,47.24, body extent -1,-1 47.26,47.26, height 5.1
PIN1 [mm] "Connector; Plug"
  rect 1.5x1.5 hole 0.9: 1(0,0)
  silkscreen extent -1.4,-1.4 1.4,2.18
POT-SMD [mm]
  rect 1.6x2 smd mask+0.05: 1(1.2,-3.1) 3(-1.2,-3.1)
  rect 2x2 smd mask+0.05: 2(0,3.1)
  silkscreen extent -2.5,-1.2 2.5,1.2, body extent -2.5,-2.2 2.5,2.2, height 1.55
PUSHBUTTON [mm]
  rect 2.2x1.4 smd mask+0.05: 1(-4.9,2.25) 1(4.9,2.25) 2(-4.9,-2.25) 2(4.9,-2.25)
  silkscreen extent -3.8,-3.8 3.8,3.8, body extent -3.8,-3.82 3.8,3.83, height 1.55
PWR-BANANA [mm]
  oval 0.9x1.8 hole 0.3 slot 1.3 at 90 deg mask+0.05: 1(-5.08,-2) 1(5.08,-2) 2(-5.08,2) 2(5.08,2)
  silkscreen extent -5.75,-4 5.75,4, body extent -5.7,-4 5.7,4, height 1.55
RES [mm]
  rect 0.95x1.3 smd: 1(0,0) 2(1.65,0)
  silkscreen extent 0.67,-0.55 0.97,0.55, body extent -0.19,-0.63 1.84,0.64, height 0.6
SMB_V-RJ45 [mm] "Connector; SMB Straight"
  round 2.5 hole 1.5: 1(0,0) 2(-2.5,-2.5) 2(-2.5,2.5) 2(2.5,-2.5) 2(2.5,2.5)
  silkscreen extent -3.15,-3.15 3.15,3.15
SW-ONON [mm]
  rect 1.5x1.2 smd mask+0.05: 1(3.25,2.5) 2(3.25,0) 3(3.25,-2.5) 4(-3.25,2.5) 5(-3.25,0) 6(-3.25,-2.5)
  rect 1.2x1.5 smd mask+0.05: 7(0,4.25) 8(0,-4.25)
  silkscreen extent -2.8,-3.8 2.8,3.8, body extent -2.75,-3.82 2.75,3.83, height 1.55
SW-SPDT [mm]
  round 2.25 hole 1.85 mask+0.05: 1(-4.7,0) 2(0,0) 3(4.7,0)
  silkscreen extent -6.43,-3.3 6.43,3.3, body extent -6.43,-3.3 6.43,3.3, height 1.55
TLV2361 [mm]
  rrect50% 1x0.55 smd mask+0.05: 1(-1.35,0.95) 2(-1.35,0) 3(-1.35,-0.95) 4(1.35,-0.95) 5(1.35,0.95)
  silkscreen extent -1.7,-1.4 1.2,1.8, body extent -0.8,-1.4 0.8,1.4, height 1.55